# Altium PCB PS1-1B-BASIS.PcbDoc (part 6 of 7) (continued)
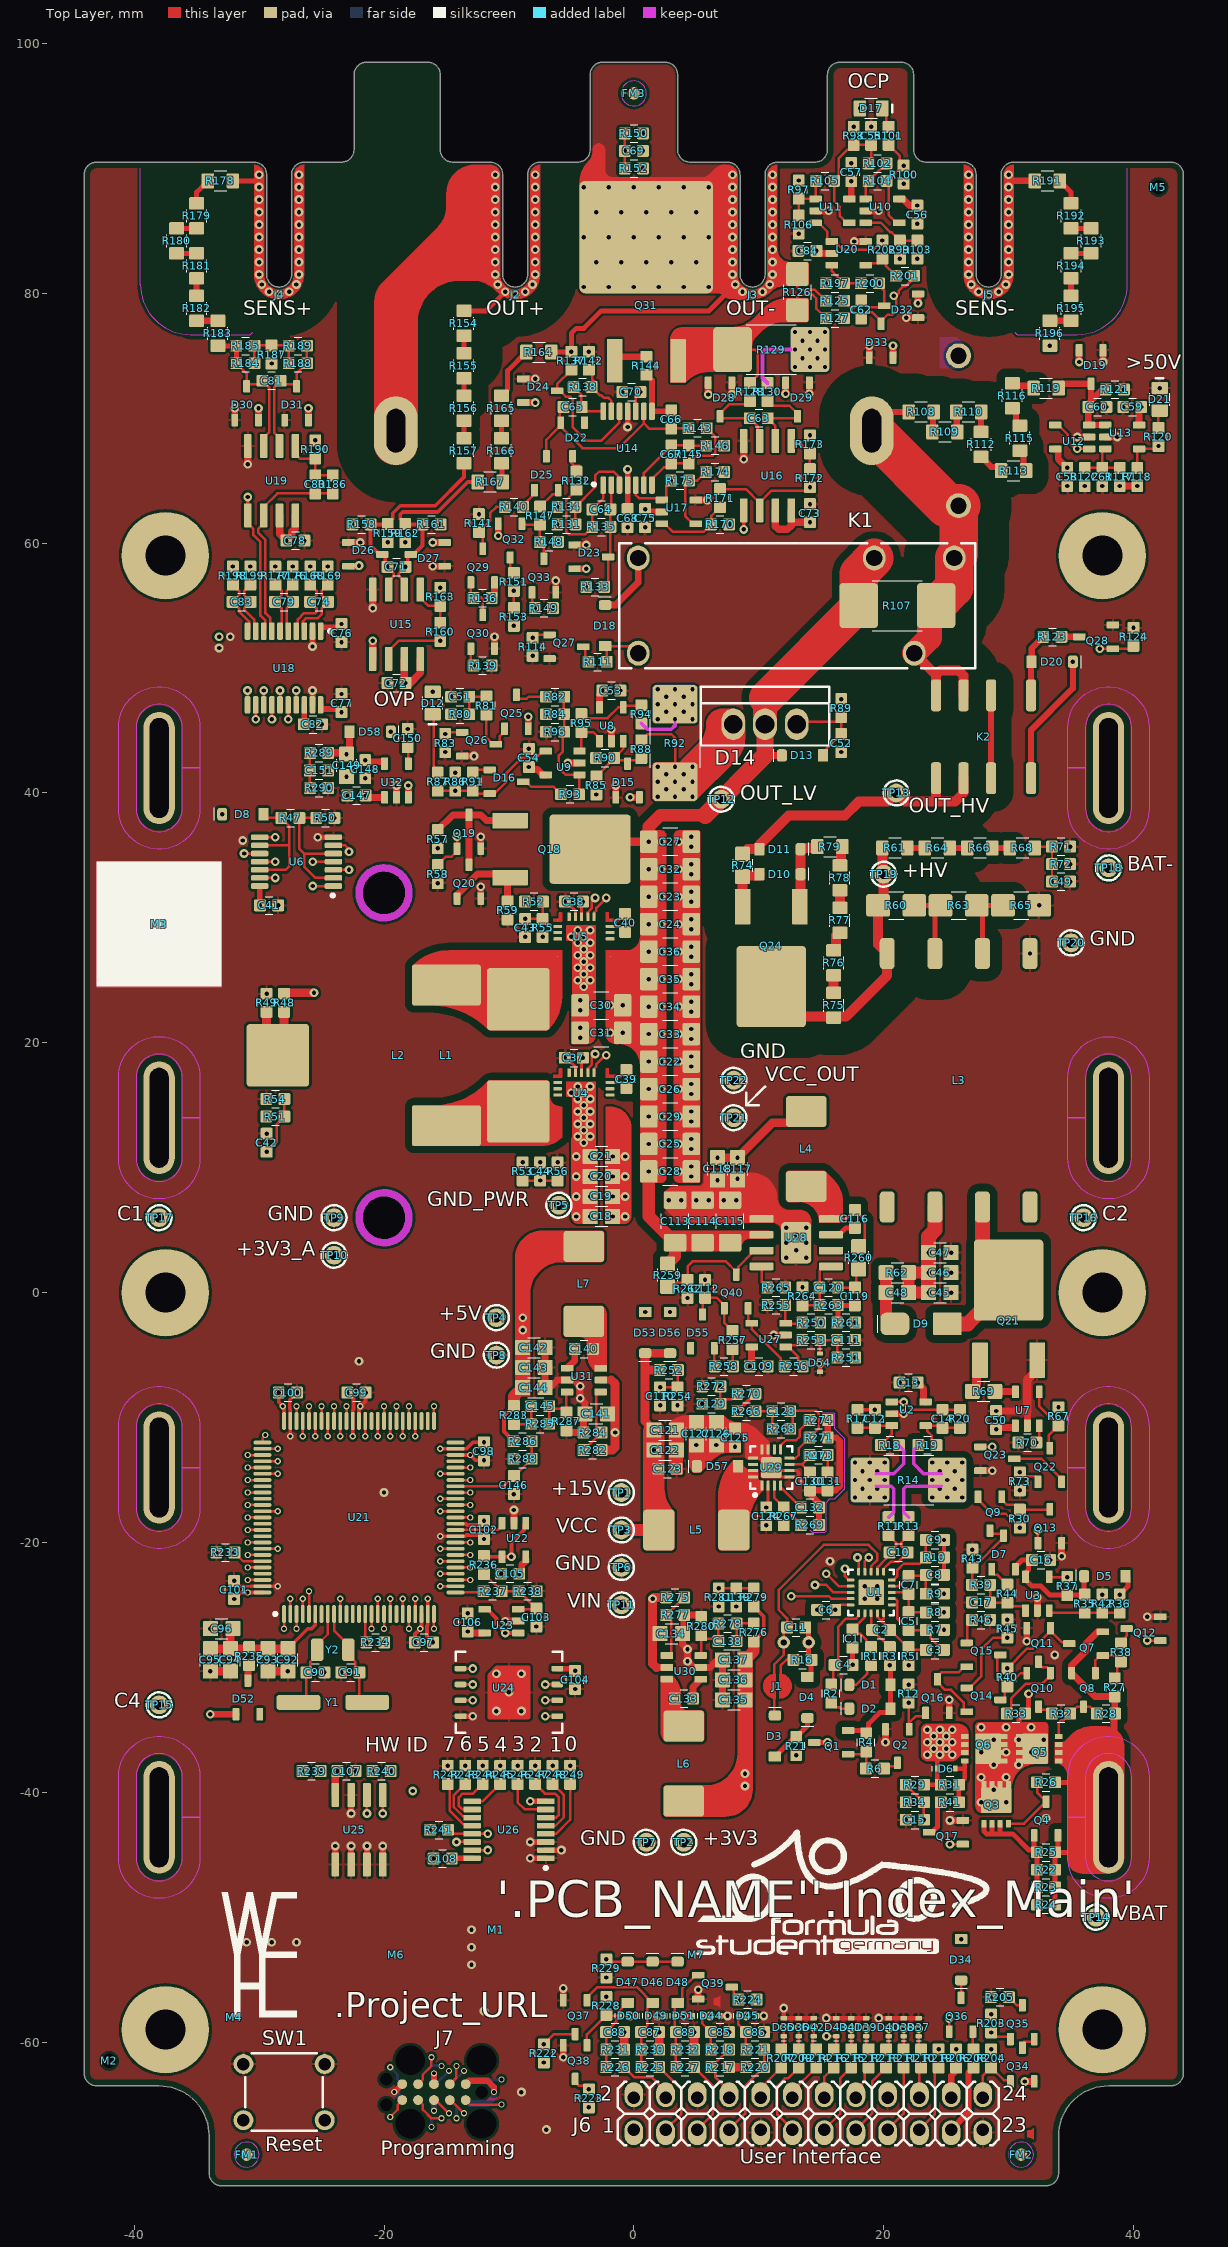
[diagram p0: Top Layer view]
## Nets (pads, with @x,y where several pads share a name; then routed paths per layer and width w, separated by ;. In a path a pad name is that pad's centre, name@x,y a point inside that pad or via, vN(x,y) a via of type N, cw(c..) or ccw(c..) an arc to the next point about the centre after c; other vN are vias at no path point) (continued)
V_TERM: R160.1 U15.6 U21.21 | length 130.5
  Top Layer w0.2: U15.6@-19.635,50.72 -19.635,51.37 -18.83,52.175 v1(-15.5,52.175) ; v2(-18,-26.9) U21.21@-18,-25.725
  Mid 4 w0.2: v2(-18,-26.9) -19,-27.9 -19,-28.7 -19.4,-29.1 -21.8,-29.1 -22.5,-28.4 -22.5,-26.8 -21.8,-26.1 -21.8,-18.1 -29.4,-10.5 -33.4,-10.5 -42.2,-1.7 -42.2,47.8 -36.5,53.5 -31.8,53.5 -29.095,50.795 -16.98,50.795 -15.6,52.175 v1(-15.5,52.175)
V_VCC: C110.1 R252.2 R254.1 U21.42 | length 24.8
  Top Layer w0.2: U21.42@-14.275,-16 v2(-13.1,-16) ; v1(2.1,-7.575) R254.1@3.5,-7.575 3.5,-6.225 R252.2@3.525,-6.2
  Mid 1 w0.2: v2(-13.1,-16) -12.4,-16 -10.7,-14.3 -2.8,-14.3 -1.5,-13 -0.7,-13 2.8,-9.5 2.8,-8.275 v1(2.1,-7.575)
VBAT: BAT1.1 D1.2 D2.2 Q1.2 Q4.2 Q5.1@34,-37.475 Q5.2 Q5.3 Q7.2 Q8.2 R3.1 R4.1 R22.1 R23.1 R24.1 R25.1 R26.1 R27.1 R28.1 TP14.1 | length 103.8
  Top Layer w0.4: Q1.2@17.15,-35.05 18.375,-35.05 R4.1@18.6,-35.275 18.8,-35.075 18.8,-34.5 19.7,-33.6 20.25,-33.6 D2.2@20.55,-33.3 D1.2@20.55,-31.4 20.55,-29.875 v1(20.5,-29.825) ; R24.1@33.725,-49 R23.1@33.725,-47.6 R22.1@33.725,-46.2 R25.1@33.725,-44.8 ; R26.1@33.725,-39.2 35.2,-39.2 BAT1.1@38,-42 35.2,-44.8 R25.1@33.725,-44.8 ; Q4.2@33.95,-43.45 33.95,-44.575 R25.1@33.725,-44.8 ; Q5.1@34,-37.475 36.7,-37.475 ; Q5.2@34,-36.825 36.05,-36.825 ; Q5.3@34,-36.175 35.4,-36.175 36.05,-36.825 ; BAT1.1@38,-38.775 36.7,-37.475 ; 36.05,-36.825 36.7,-37.475
  Top Layer w0.55: Q7.2@37.55,-27.15 37.125,-27.15 36.2,-28.075 36.2,-28.7 35.05,-29.85 Q8.2@35.05,-30.45 36.925,-32.325 R27.1@38.5,-32.325 R28.1@38.5,-33.675 ; BAT1.1@38.425,-38.35 38.425,-33.8 R28.1@38.525,-33.7
  Mid 3 (PWR) w0.3: v1(20.5,-29.825) 21.525,-28.8 24.7,-28.8 25.9,-27.6 25.9,-24.5 26.7,-23.7 29.4,-23.7 31.1,-25.4 34.2,-25.4 37,-22.6 39.7,-22.6 40.3,-23.2 40.3,-24.9 38,-27.2 BAT1.1@38,-42
  Mid 3 (PWR) w1.5: TP14.1@37,-50 38,-49 BAT1.1@38,-42
VBAT_STBY: Q1.3 Q9.2 R30.1 | length 32.4
  Top Layer w0.2: Q9.2@27.55,-16.35 27.55,-16.575 28.675,-17.7 29.775,-17.7 v1(30.9,-18.825)
  Top Layer w0.4: Q1.3@14.45,-36 v1(15.5,-36)
  Mid 4 w0.4: v1(15.5,-36) 17.2,-34.3 22.2,-34.3 29.6,-26.9 30.3,-26.9 30.9,-26.3 v1(30.9,-18.825)
VC0: C9.1 R10.2 U1.5 | length 5.2
  Top Layer w0.2: U1.5@20.65,-23 20.8,-23 21.1,-22.7 21.1,-22.2 21.6,-21.7 22.875,-21.7 R10.2@23.375,-21.2 C9.1@23.375,-19.8
VC1: C7.2 C8.1 R9.2 U1.4 | length 4.6
  Top Layer w0.2: U1.4@20.65,-23.5 21.175,-23.5 C7.2@22,-22.675 23.3,-22.675 C8.1@23.375,-22.6 R9.2@23.375,-24.1
VC2: C5.2 C7.1 R8.2 U1.3 | length 4.2
  Top Layer w0.2: U1.3@20.65,-24 21.875,-24 21.95,-24.075 C7.1@22,-24.125 C5.2@22,-25.575 22.013,-25.588 23.362,-25.588 R8.2@23.375,-25.6
VC3: C3.2 C5.1 R7.2 U1.1@20.65,-25 U1.2 | length 7.4
  Top Layer w0.2: U1.1@20.65,-25 21.1,-25 ; U1.2@20.65,-24.5 20.9,-24.5 21.1,-24.7 21.1,-25 ; C3.2@24.825,-28.6 24.45,-28.225 24.307,-28.225 23.75,-27.668 23.75,-27.375 R7.2@23.375,-27 23.362,-27.013 22.013,-27.013 C5.1@22,-27.025 21.461,-26.486 21.1,-26.125 21.1,-25
VC4: C2.2 C3.1 R5.2 U1.19 U1.20 | length 6
  Top Layer w0.2: U1.19@19.5,-25.65 19.5,-25.975 19.812,-26.287 ; U1.20@20,-25.65 20,-26.1 19.812,-26.287 ; C3.1@23.375,-28.6 22.225,-28.6 R5.2@22,-28.375 21.625,-28 21.525,-28 19.812,-26.287
VC5: C2.1 R3.2 U1.18 | length 3.4
  Top Layer w0.2: U1.18@19,-25.65 19,-26.925 C2.1@19.075,-27 20.45,-28.375 R3.2@20.5,-28.375
VCC: C121.1 C122.1 C123.1 C124.1 D53.1 D56.1 L5.1 R252.1 R267.1 TP3.1 U29.2 | length 35.5
  Top Layer w0.25: U29.2@10.75,-15.45 10.75,-17.05 v1(10.6,-17.2) 11.65,-18.25 11.65,-18.275 R267.1@12,-18.625
  Top Layer w0.7: C121.1@1.6,-11 0.9,-10.3 0.9,-6.2 ; R252.1@2.075,-6.2 0.9,-6.2 ; D56.1@2.9,-4.85 D53.1@0.9,-4.85 0.9,-6.2
  Top Layer w0.95: TP3.1@-1,-19 L5.1@2,-19 ; C121.1@1.6,-11 v1(1.6,-12.6) 1.975,-12.975 C123.1@1.975,-14.1 L5.1@1.975,-18.975
  Mid 3 (PWR) w0.7: v1(1.6,-12.6) 2.6,-13.6 7,-13.6 v1(10.6,-17.2)
VCC_BST: C116.2 U28.7 | length 2.1
  Top Layer w0.4: U28.7@15.78,4.635 16.43,4.635 16.97,5.175 C116.2@17.7,5.175
VCC_EN: Q40.3 R259.2 R262.1 U28.3 | length 10.6
  Top Layer w0.2: R259.2@2.7,0.5 3,0.8 4.075,0.8 R262.1@4.3,1.025 4.3,2.1 4.7,2.5 7.375,2.5 8.2,1.675 Q40.3@8.2,1.45 8.373,1.623 8.373,2.073 9.5,3.2 10.055,3.2 U28.3@10.22,3.365
VCC_FB: C120.2 R263.2 R264.1 U28.5 | length 5.2
  Top Layer w0.2: R264.1@13.5,-1.025 14.85,-1.025 R263.2@14.875,-1 C120.2@14.875,0.4 14.875,1.775 15.195,2.095 U28.5@15.78,2.095
VCC_GAIN_MEAS: C119.2 R261.2 R263.1 | length 2.8
  Top Layer w0.4: R261.2@16.275,-2.4 16.325,-2.35 R263.1@16.325,-1 16.338,-1.013 17.687,-1.013 C119.2@17.7,-1.025
VCC_OUT: C117.1 C118.1 D56.2 L4.2 R261.1 TP21.1 | length 41.4
  Top Layer w0.7: v1(6.7,10.8) v1(8.3,10.8) 11.1,13.6 12.9,13.6 L4.2@13.8,14.5
  Mid 3 (PWR) w0.7: v1(2.9,-1.55) 7.45,-1.55 10.1,1.1 ; v1(6.7,10.8) v1(8.3,10.8) ; TP21.1@8,14 8,11.1 v1(8.3,10.8) ; v1(17.725,-2.4) 16.825,-1.5 12.7,-1.5 10.1,1.1 ; v1(8.3,10.8) 10.1,9 10.1,1.1
VCC_RT: R265.1 U28.4 | length 1.9
  Top Layer w0.2: U28.4@10.22,2.095 10.22,0.855 R265.1@10.675,0.4
VCC_SW: C116.1 L4.1 R260.1 U28.8 | length 9.3
  Top Layer w0.2: U28.8@15.78,5.905 16.98,5.905 C116.1@17.7,6.625 18.5,5.825 18.5,4.2 R260.1@18,3.7
  Top Layer w0.6: L4.1@13.8,8.5 14.175,8.5 15.78,6.895 U28.8@15.78,5.905
VIN: C18.1 C19.1 C20.1 C21.1 C45.1 C46.1 C47.1 C48.1 C109.1 D6.1 D53.2 L3.2 Q6.1@26.5,-35.525 Q6.2 Q6.3 R29.1 R31.1 R62.1 R250.1 R251.1 TP11.1 U4.7 U27.5 | length 19.7
  Top Layer w0.35: R29.1@23.225,-39.4 R31.1@24.575,-39.4 24.275,-39.1 D6.1@24.275,-38.1 ; D6.1@24.275,-38.175 24.275,-37.125 24.575,-36.825 25.5,-36.825 Q6.3@26.5,-36.825
  Top Layer w0.55: v1(9.275,-5.9) 9.425,-5.75 9.425,-4.35 U27.5@9.45,-4.35
  Top Layer w0.95: v1(23.6,0) C48.1@22,0 R62.1@22,1.6 v1(23.6,1.6)
  Top Layer w1.2: v1(23.6,0) v1(23.6,1.6) v1(23.6,3.2) 23.6,4.5 24.095,4.995 L3.2@24.095,6.85
  other v1: 23.5,-37 24.5,-37 25.5,-37 24,-36.5 25,-36.5 23.5,-36 24.5,-36 25.5,-36 24,-35.5 25,-35.5 23.5,-35 24.5,-35 25.5,-35 17.725,-5.2 14.925,-2.4 0.9,-1.55 -1.7,6.1 -0.7,6.1 -1.7,7.7 -0.7,7.7 -1.7,9.3 -0.7,9.3 -1.7,10.9 -0.7,10.9
VREF: R51.1 R52.1 R53.1 R131.1 R150.1 R236.1 U22.1@-8.65,-18.45 U22.4 | length 260.3
  Top Layer w0.3: R236.1@-12,-21.075 -11.925,-21.15 U22.4@-10.55,-21.15 v1(-9.8,-21.15) -9.8,-20 -8.8,-19 -8.8,-18.6 U22.1@-8.65,-18.45
  Mid 4 w0.3: v1(-9.8,-21.15) -8.9,-20.25 -8.9,-10.8 -18.1,-1.6 ; v1(-8.9,10.425) -10.1,9.225 -10.1,6.4 -18.1,-1.6 ; v1(-8.725,31.3) -8.725,34.5 ; v1(-6.125,61.5) -8.8,58.825 ; v1(0.725,92.8) 0,92.075 0,89.5 -2,87.5 -2,85.5 -3.8,83.7 -3.8,81.8 -3,81 -3,79.5 -4,78.5 -5.1,78.5 -13.7,69.9 -13.7,65.8 -16.9,62.6 -21.2,62.6 -24.4,65.8 -24.4,71 -27.4,74 -27.4,75 -27.9,75.5 -29.7,75.5 -32.8,72.4 -32.8,63.4 -29.7,60.3 -29.7,56.8 -28.5,55.6 -23.4,55.6 -22.35,54.55 -22.35,53.221 -22.005,52.876 -22.005,52.376 -21.174,51.545 -20.636,51.545 -19.973,52.208 -19.973,52.383 -17.925,54.431 -17.925,54.931 -17.481,55.375 -15.103,55.375 -11.653,58.825 -8.8,58.825 ; -18.1,-1.6 -22.7,-1.6 -30.8,6.5 -30.8,12.725 v1(-29.425,14.1) -30.9,15.575 -30.9,33.7 -30.5,34.1 -30.5,37 -29.1,38.4 -27.4,38.4 -26.2,37.2 -23.8,37.2 -23,38 -19.7,38 -16.2,34.5 -8.725,34.5 ; -8.8,58.825 -7.2,57.225 -7.2,49 -9.7,46.5 -9.7,41.45 -8.725,40.475 -8.725,34.5
VREF/2: C12.1 R17.1 R146.2 R158.2 R159.2 R161.1 R162.1 R163.2 R170.2 R173.2 R174.1 R176.1 R187.2 R190.2 R197.2 U15.5 U16.5 U18.8 U19.5 U23.1@-9.25,-27.25 U23.4 | length 426.6
  Top Layer w0.2: U19.5@-30.905,62.22 -30.905,61.57 -30.45,61.115 -30.45,60.65 -29.9,60.1 -29.9,54.2 -29.5,53.8 -29.5,53.075 U18.8@-29.625,52.95
  Top Layer w0.3: U19.5@-30.905,62.22 v1(-30.905,63.695) ; U23.4@-11.95,-25.35 -11.725,-25.35 -11,-26.075 -11,-26.55 v1(-10.3,-27.25) U23.1@-9.25,-27.25 ; v1(8.795,61.1) U16.5@8.795,62.62 ; R17.1@17.9,-9.375 v1(19.3,-9.375)
  Top Layer w0.6: U15.5@-20.905,50.72 v1(-20.905,52.195)
  Mid 1 w0.2: v1(-27.3,58.125) -27.8,57.625 -27.8,57.1 -26.5,55.8 -20.034,55.8 -18.934,54.7 -15.3,54.7 -8,62 -8,66.966 -0.866,74.1 1.666,74.1 5.766,70 8.266,70 11.466,66.8 13.8,66.8 14.1,67.1 v1(14.1,68.625)
  Mid 4 w0.3: v1(-30.905,63.695) -26.305,63.695 ; v1(-29,74.375) -29,71.725 v1(-25.5,68.225) -25.5,64.5 -26.305,63.695 ; v1(-22.525,61.5) -21.125,61.5 v1(-19.7,60.075) v1(-18.3,60.075) -18.223,60.152 -16.875,61.5 v1@-15.367,61.5 ; v1(-20.905,52.195) -21.555,52.845 -21.555,55.569 -21.305,55.819 -21.305,56.425 ; v1(-15.475,61.5) -14.975,62 -13.7,62 ; v1(-10.3,-27.25) -9.45,-27.25 -6.1,-23.9 -6.1,-16.5 -3.8,-14.2 ; v1(7.225,67.8) v1(7.225,65.7) 7.625,65.3 v1(7.625,61.5) ; v1(8.795,61.1) 8.025,61.1 v1(7.625,61.5) ; v1(14.1,68.625) 14.6,69.125 14.6,69.9 cw(c19.187,69.9) 15.943,73.143 17,74.2 17,76.4 15.5,77.9 13.2,77.9 ; v1(15.375,80.8) 13.2,78.625 13.2,77.9 ; v1(19.3,-9.375) 22.3,-12.375 22.3,-16.4 21.5,-17.2 11.6,-17.2 8.6,-14.2 -3.8,-14.2 ; -26.305,63.695 -26.305,61.205 -21.525,56.425 -21.305,56.425 ; -21.305,56.425 v1(-15.5,56.425) -15.523,56.448 -15.523,56.852 -15.45,56.925 -15.45,57.975 -13.7,59.725 -13.7,62 ; -13.7,62 -12,63.7 -12,65.925 -11.325,66.6 ; -11.325,66.6 -11.325,70.975 -5.5,76.8 11.6,76.8 12.7,77.9 13.2,77.9 ; -11.325,66.6 -7.6,66.6 -5,64 -5,55.4 ; -5,55.4 1.525,55.4 v1(7.625,61.5) ; -5,55.4 -5,44.696 -7,42.696 -7,30.5 -8.3,29.2 -9.4,29.2 -12,31.8 -12.6,31.8 -14.3,33.5 -16.6,33.5 -20.2,37.1 -22.6,37.1 -23.4,36.3 -24.4,36.3 -25,35.7 -26.2,35.7 -28,37.5 -29.3,37.5 -29.9,36.9 -29.9,32.7 -29.2,32 -29.2,29.3 -30.05,28.45 -30.05,17.35 -28.6,15.9 -28.6,5.6 -22.3,-0.7 -18.5,-0.7 -11,6.8 -11,9.9 -9.4,11.5 -8.6,11.5 -8.2,11.1 -8.2,6.2 -13.6,0.8 -13.6,-4.4 -3.8,-14.2
VREF/2_UC: R237.1 U21.26 | length 2.3
  Top Layer w0.2: U21.26@-14.275,-24 -12.125,-24 R237.1@-12.025,-23.9
VREF_UC: U21.36 U22.3 | length 4.1
  Top Layer w0.2: U21.36@-14.275,-19 -10.875,-19 -10.55,-18.675 U22.3@-10.55,-18.45
pads on no net: D7.1@28,-22.4 D15.1@-2.1,39.4 D16.1@-11.8,42.5 D19.1@38.2,75.7 D22.1 D23.1@-5,60.5 D24.1@-9.1,73.8 D25.1@-8.6,64 D26.1@-23.1,60.7 D27.1@-14.9,57.5 D28.1@8.5,73.1 D29.1@14.7,73.1 D30.1@-32.6,69.6 D31.1@-28.6,69.6 D32.1@23,77.4 D33.1@18.2,74.6 D52.1@-32.5,-34 D52.2 D55.1 FM1.1 FM2.1 FM3.1 FM4.1 FM5.1 FM6.1 J7.M L3.1 L3.4 M2.0 M5.0 Q1.1@17.4,-37.6 Q2.1@22.7,-34.7 Q3.1@27.4,-42.6 Q4.1@31.4,-43.7 Q5.1@34.1,-38.1 Q6.1@26.4,-34.9 Q7.1@37.8,-29.7 Q8.1@37.6,-30.2 Q9.1@30.1,-16.1 Q10.1@34,-30.2 Q11.1@34,-26.6 Q12.1@42.4,-28.5 Q13.1@31.7,-20.3 Q14.1@26.4,-31 Q15.1@26.4,-27.4 Q16.1@22.7,-33.9 Q17.1@26.6,-44.8 Q18.1@-10,36.25 Q19.1@-14.8,35.3 Q20.1@-14.8,31.3 Q21.1@29.25,-5.5 Q22.1@31.7,-15.4 Q23.1@27.5,-11.7 Q24.1@11.75,31 Q25.1@-11,44.9 Q26.1@-14,45.5 Q27.1@-7,53.3 Q28.1@38.6,50.9 Q29.1@-13.7,56.6 Q30.1@-13.7,51.3 Q31.1@-0.3,73.6 Q32.1@-8.3,61.8 Q33.1@-8.8,55.8 Q34.1@29.5,-63.4 Q35.1@29.5,-60 Q36.1@24.6,-59.4 Q37.1@-3.1,-56.4 Q38.1@-3.1,-60 Q39.1@4.9,-54 Q40.1@6.6,-1.5 U1.1@21.2,-25.5 U1.EP@18.44,-23.44 U1.EP@18.44,-24.56 U1.EP@19.56,-23.44 U1.EP@19.56,-24.56 U2.1@20.4,-8.1 U3.1@30.7,-25.7 U4.1 U4.2 U4.3 U4.4 U4.8 U4.9 U4.16 U5.1 U5.2 U5.3 U5.4 U5.8 U5.9 U5.16 U7.1@29.9,-10.9 U8.1@-3.4,43.9 U9.1@-4.1,40.8 U10.1@18.3,88.2 U11.1@14.3,88.2 U12.1@36.7,66.9 U13.1@37.5,70.1 U15.1@-16.3,56 U16.1@13.4,67.9 U17.1@2,64.1 U19.1@-26.3,67.5 U20.1@15.6,84.8 U21.7 U21.11 U21.12 U21.13 U21.19 U21.47 U21.50 U21.52 U21.53 U21.61 U21.83 U21.85 U21.89 U21.91 U21.97 U22.1@-8,-18.2 U23.1@-9,-27.9 U24.1@-14.7,-29.375 U25.1@-24.7,-45.5 U27.1@12.4,-5 U28.1@10.5,6.7 U28.6 U29.10 U29.14 U30.1@5.6,-31.6 U31.1@-5.6,-5.4 U32.1@-20.6,39.4

## Polygon pours and split planes (outlines as drawn)
GND on Top Layer "GND_L01_P320" (solid, remove dead copper, pour order 320): -43,-63 cw(c-43,-62.5) -43.5,-62.5 -43.5,89.5 cw(c-43,89.5) -43,90 -30.5,90 cw(c-30.5,89.5) -30,89.5 -30,81.5 ccw(c-28.5,81.5) -28.5,80 ccw(c-28.5,81.5) -27,81.5 -27,89.5 cw(c-26.5,89.5) -26.5,90 -23.5,90 ccw(c-23.5,91.5) -22,91.5 -22,97.5 cw(c-21.5,97.5) -21.5,98 -16.5,98 cw(c-16.5,97.5) -16,97.5 -16,91.5 ccw(c-14.5,91.5) -14.5,90 -11.5,90 cw(c-11.5,89.5) -11,89.5 -11,81.5 ccw(c-9.5,81.5) -9.5,80 ccw(c-9.5,81.5) -8,81.5 -8,89.5 cw(c-7.5,89.5) -7.5,90 -4.5,90 ccw(c-4.5,91.5) -3,91.5 -3,97.5 cw(c-2.5,97.5) -2.5,98 2.5,98 cw(c2.5,97.5) 3,97.5 3,91.5 ccw(c4.5,91.5) 4.5,90 7.5,90 cw(c7.5,89.5) 8,89.5 8,81.5 ccw(c9.5,81.5) 9.5,80 ccw(c9.5,81.5) 11,81.5 11,89.5 cw(c11.5,89.5) 11.5,90 14.5,90 ccw(c14.5,91.5) 16,91.5 16,97.5 cw(c16.5,97.5) 16.5,98 21.5,98 cw(c21.5,97.5) 22,97.5 22,91.5 ccw(c23.5,91.5) 23.5,90 26.5,90 cw(c26.5,89.5) 27,89.5 27,81.5 ccw(c28.5,81.5) 28.5,80 ccw(c28.5,81.5) 30,81.5 30,89.5 cw(c30.5,89.5) 30.5,90 43,90 cw(c43,89.5) 43.5,89.5 43.5,-62.5 cw(c43,-62.5) 43,-63 38,-63 ccw(c38,-67.5) 33.5,-67.5 33.5,-70.5 cw(c33,-70.5) 33,-71 -33,-71 cw(c-33,-70.5) -33.5,-70.5 -33.5,-67.5 ccw(c-38,-67.5) -38,-63
TERM_N on Top Layer "TERM_N_L01_P319" (solid, remove dead copper, pour order 319): -3.9,80 cw(c-3.9,80.45) -4.35,80.45 -4.35,88.798 cw(c-1.81,88.798) -3.606,90.594 -3.6,90.6 ccw(c-4.324,91.324) -3.3,91.324 -3.3,97.5 cw(c-2.5,97.5) -2.5,98.3 2.5,98.3 cw(c2.5,97.5) 3.3,97.5 3.3,91.5 ccw(c4.5,91.5) 4.5,90.3 7.5,90.3 cw(c7.5,89.5) 8.3,89.5 8.3,82.4 cw(c5.9,82.4) 5.9,80
GND on Bottom Layer "GND_L06_P337" (solid, remove dead copper, pour order 337): -43,-63 cw(c-43,-62.5) -43.5,-62.5 -43.5,89.5 cw(c-43,89.5) -43,90 -30.5,90 cw(c-30.5,89.5) -30,89.5 -30,81.5 ccw(c-28.5,81.5) -28.5,80 ccw(c-28.5,81.5) -27,81.5 -27,89.5 cw(c-26.5,89.5) -26.5,90 -23.5,90 ccw(c-23.5,91.5) -22,91.5 -22,97.5 cw(c-21.5,97.5) -21.5,98 -16.5,98 cw(c-16.5,97.5) -16,97.5 -16,91.5 ccw(c-14.5,91.5) -14.5,90 -11.5,90 cw(c-11.5,89.5) -11,89.5 -11,81.5 ccw(c-9.5,81.5) -9.5,80 ccw(c-9.5,81.5) -8,81.5 -8,89.5 cw(c-7.5,89.5) -7.5,90 -4.5,90 ccw(c-4.5,91.5) -3,91.5 -3,97.5 cw(c-2.5,97.5) -2.5,98 2.5,98 cw(c2.5,97.5) 3,97.5 3,91.5 ccw(c4.5,91.5) 4.5,90 7.5,90 cw(c7.5,89.5) 8,89.5 8,81.5 ccw(c9.5,81.5) 9.5,80 ccw(c9.5,81.5) 11,81.5 11,89.5 cw(c11.5,89.5) 11.5,90 14.5,90 ccw(c14.5,91.5) 16,91.5 16,97.5 cw(c16.5,97.5) 16.5,98 21.5,98 cw(c21.5,97.5) 22,97.5 22,91.5 ccw(c23.5,91.5) 23.5,90 26.5,90 cw(c26.5,89.5) 27,89.5 27,81.5 ccw(c28.5,81.5) 28.5,80 ccw(c28.5,81.5) 30,81.5 30,89.5 cw(c30.5,89.5) 30.5,90 43,90 cw(c43,89.5) 43.5,89.5 43.5,-62.5 cw(c43,-62.5) 43,-63 38,-63 ccw(c38,-67.5) 33.5,-67.5 33.5,-70.5 cw(c33,-70.5) 33,-71 -33,-71 cw(c-33,-70.5) -33.5,-70.5 -33.5,-67.5 ccw(c-38,-67.5) -38,-63
TERM_N on Bottom Layer "TERM_N_L06_P336" (solid, remove dead copper, pour order 336): 9.5,79.5 11.448,79.5 cw(c11.448,76.96) 13.244,78.756 17.256,74.744 ccw(c19.052,76.54) 19.052,74 26,74 ccw(c26,75) 26.707,74.293 ccw(c26,75) 27,75 ccw(c26,75) 26.707,75.707 22.744,79.67 cw(c24.54,81.466) 22,81.466 22,87.76 ccw(c19.46,87.76) 19.46,90.3 11.5,90.3 ccw(c11.5,89.5) 10.7,89.5 10.7,81.5 cw(c9.5,81.5) 9.5,80.3
TERM_N on Bottom Layer "TERM_N_L06_P335" (solid, remove dead copper, pour order 335): -3.9,80 cw(c-3.9,80.45) -4.35,80.45 -4.35,88.55 cw(c-2.177,88.55) -3.714,90.086 -3.495,90.305 ccw(c-4.69,91.5) -3,91.5 -3,97.5 cw(c-2.5,97.5) -2.5,98 2.5,98 cw(c2.5,97.5) 3,97.5 3,91.5 ccw(c4.5,91.5) 4.5,90 7,90 7,80
GND on Mid 4 "GND_L05_P334" (solid, remove dead copper, pour order 334): -43,-63 cw(c-43,-62.5) -43.5,-62.5 -43.5,89.5 cw(c-43,89.5) -43,90 -30.5,90 cw(c-30.5,89.5) -30,89.5 -30,81.5 ccw(c-28.5,81.5) -28.5,80 ccw(c-28.5,81.5) -27,81.5 -27,89.5 cw(c-26.5,89.5) -26.5,90 -23.5,90 ccw(c-23.5,91.5) -22,91.5 -22,97.5 cw(c-21.5,97.5) -21.5,98 -16.5,98 cw(c-16.5,97.5) -16,97.5 -16,91.5 ccw(c-14.5,91.5) -14.5,90 -11.5,90 cw(c-11.5,89.5) -11,89.5 -11,81.5 ccw(c-9.5,81.5) -9.5,80 ccw(c-9.5,81.5) -8,81.5 -8,89.5 cw(c-7.5,89.5) -7.5,90 -4.5,90 ccw(c-4.5,91.5) -3,91.5 -3,97.5 cw(c-2.5,97.5) -2.5,98 2.5,98 cw(c2.5,97.5) 3,97.5 3,91.5 ccw(c4.5,91.5) 4.5,90 7.5,90 cw(c7.5,89.5) 8,89.5 8,81.5 ccw(c9.5,81.5) 9.5,80 ccw(c9.5,81.5) 11,81.5 11,89.5 cw(c11.5,89.5) 11.5,90 14.5,90 ccw(c14.5,91.5) 16,91.5 16,97.5 cw(c16.5,97.5) 16.5,98 21.5,98 cw(c21.5,97.5) 22,97.5 22,91.5 ccw(c23.5,91.5) 23.5,90 26.5,90 cw(c26.5,89.5) 27,89.5 27,81.5 ccw(c28.5,81.5) 28.5,80 ccw(c28.5,81.5) 30,81.5 30,89.5 cw(c30.5,89.5) 30.5,90 43,90 cw(c43,89.5) 43.5,89.5 43.5,-62.5 cw(c43,-62.5) 43,-63 38,-63 ccw(c38,-67.5) 33.5,-67.5 33.5,-70.5 cw(c33,-70.5) 33,-71 -33,-71 cw(c-33,-70.5) -33.5,-70.5 -33.5,-67.5 ccw(c-38,-67.5) -38,-63
GND_PWR on Mid 4 "GND_PWR_L05_P333" (solid, remove dead copper, pour order 333): 18,-8.297 ccw(c19.527,-8.297) 18.447,-9.376 11.376,-16.447 -2.414,-2.657 cw(c6.243,6) -6,6 -6,40.948 cw(c-3.46,40.948) -5.256,42.744 9.256,57.256 ccw(c7.46,59.052) 10,59.052 10,73.516 cw(c12.54,73.516) 10.744,75.312 12.641,77.209 cw(c12.86,76.99) 12.86,77.3 15.34,77.3 cw(c15.34,76.99) 15.559,77.209 17.256,75.512 cw(c15.46,73.716) 18,73.716
TERM_N on Mid 4 "TERM_N_L05_P332" (solid, remove dead copper, pour order 332): 9.5,79.5 11.448,79.5 cw(c11.448,76.96) 13.244,78.756 17.256,74.744 ccw(c19.052,76.54) 19.052,74 26,74 ccw(c26,75) 26.707,74.293 ccw(c26,75) 27,75 ccw(c26,75) 26.707,75.707 22.744,79.67 cw(c24.54,81.466) 22,81.466 22,87.76 ccw(c19.46,87.76) 19.46,90.3 11.5,90.3 ccw(c11.5,89.5) 10.7,89.5 10.7,81.5 cw(c9.5,81.5) 9.5,80.3
+3V3 on Mid 3 (PWR) "+3V3_L04_P331" (solid, remove dead copper, pour order 331): -43,-63 cw(c-43,-62.5) -43.5,-62.5 -43.5,89.5 cw(c-43,89.5) -43,90 -30.5,90 cw(c-30.5,89.5) -30,89.5 -30,81.5 ccw(c-28.5,81.5) -28.5,80 ccw(c-28.5,81.5) -27,81.5 -27,89.5 cw(c-26.5,89.5) -26.5,90 -23.5,90 ccw(c-23.5,91.5) -22,91.5 -22,97.5 cw(c-21.5,97.5) -21.5,98 -16.5,98 cw(c-16.5,97.5) -16,97.5 -16,91.5 ccw(c-14.5,91.5) -14.5,90 -11.5,90 cw(c-11.5,89.5) -11,89.5 -11,81.5 ccw(c-9.5,81.5) -9.5,80 ccw(c-9.5,81.5) -8,81.5 -8,89.5 cw(c-7.5,89.5) -7.5,90 -4.5,90 ccw(c-4.5,91.5) -3,91.5 -3,97.5 cw(c-2.5,97.5) -2.5,98 2.5,98 cw(c2.5,97.5) 3,97.5 3,91.5 ccw(c4.5,91.5) 4.5,90 7.5,90 cw(c7.5,89.5) 8,89.5 8,81.5 ccw(c9.5,81.5) 9.5,80 ccw(c9.5,81.5) 11,81.5 11,89.5 cw(c11.5,89.5) 11.5,90 14.5,90 ccw(c14.5,91.5) 16,91.5 16,97.5 cw(c16.5,97.5) 16.5,98 21.5,98 cw(c21.5,97.5) 22,97.5 22,91.5 ccw(c23.5,91.5) 23.5,90 26.5,90 cw(c26.5,89.5) 27,89.5 27,81.5 ccw(c28.5,81.5) 28.5,80 ccw(c28.5,81.5) 30,81.5 30,89.5 cw(c30.5,89.5) 30.5,90 43,90 cw(c43,89.5) 43.5,89.5 43.5,-62.5 cw(c43,-62.5) 43,-63 38,-63 ccw(c38,-67.5) 33.5,-67.5 33.5,-70.5 cw(c33,-70.5) 33,-71 -33,-71 cw(c-33,-70.5) -33.5,-70.5 -33.5,-67.5 ccw(c-38,-67.5) -38,-63
BAT- on Mid 3 (PWR) "BAT-_L04_P327" (solid, remove dead copper, pour order 327): 17.5,-18 ccw(c17.5,-21) 14.5,-21 14.5,-28 ccw(c15.707,-28) 14.854,-28.854 15.756,-29.756 ccw(c17.552,-27.96) 17.552,-30.5 21.748,-30.5 ccw(c21.748,-27.96) 23.544,-29.756 25.256,-28.044 ccw(c23.46,-26.248) 26,-26.248 26,-24 cw(c27.449,-24) 26.424,-22.976 28.434,-20.966 ccw(c27.069,-19.6) 29,-19.6 29,-19 ccw(c28,-19) 28,-18
VIN on Mid 3 (PWR) "VIN_L04_P330" (solid, remove dead copper, pour order 330): 26,2 ccw(c24,2) 24,4 23.5,4 ccw(c23.5,2.5) 22,2.5 cw(c17.5,2.5) 17.5,-2 13,-2 cw(c13,11) 0,11 ccw(c-1,11) -1,12 -6.5,12 ccw(c-6.5,9.5) -9,9.5 -9,-18 ccw(c12,-18) 12,-39 21.879,-39 ccw(c21.879,-33.379) 25.854,-37.354 ccw(c25.5,-37) 26,-37
BAT- on Mid 3 (PWR) "BAT-_L04_P329" (solid, remove dead copper, pour order 329): 39.5,46.5 cw(c39.5,45) 41,45 41,41.741 ccw(c41.341,41.741) 41.1,41.5 cw(c40.859,41.259) 41.2,41.259 41.2,24.8 cw(c40.476,24.8) 40.988,24.288 35.441,18.741 ccw(c35.783,18.4) 35.3,18.4 35.3,-2.848 cw(c32.76,-2.848) 34.556,-4.644 27.9,-11.3 ccw(c29.107,-12.507) 27.4,-12.507 27.4,-14.816 cw(c24.86,-14.816) 26.656,-16.612 26.559,-16.709 cw(c26.34,-16.49) 26.34,-16.8 21.3,-16.8 cw(c21.3,-16.5) 21,-16.5 21,-13.6 ccw(c20.1,-13.6) 20.1,-12.7 17.7,-12.7 cw(c17.7,-12) 17,-12 17,-8 cw(c18,-8) 18,-7 ccw(c18,1) 26,1 26,43.96 cw(c28.54,43.96) 28.54,46.5
OUT_LV on Mid 3 (PWR) "OUT_LV_L04_P325" (solid, remove dead copper, pour order 325): 2.6,36.1 ccw(c2.2,36.1) 2.2,36.5 1.2,36.5 ccw(c1.2,36.1) 0.8,36.1 0.8,25.1 cw(c-0.9,25.1) -0.9,23.4 -1.9,23.4 ccw(c-1.9,23) -2.3,23 -2.3,20.8 ccw(c-1.9,20.8) -1.9,20.4 -0.9,20.4 cw(c-0.9,18.7) 0.8,18.7 0.8,9.7 ccw(c1.2,9.7) 1.2,9.3 2.2,9.3 ccw(c2.2,9.7) 2.6,9.7
+15V on Mid 3 (PWR) "+15V_L04_P326" (solid, remove dead copper, pour order 326): 32.8,-6.8 35.6,-9.6 35.6,-15.1 34.2,-16.5 29.9,-16.5 27.4,-19 26.4,-18 26.4,-17.6 27.4,-16.6 27.4,-12.2
+15V on Mid 3 (PWR) "+15V_L04_P328" (solid, remove dead copper, pour order 328): -1.9,-11 cw(c0.1,-11) 0.1,-9 16.3,-9 cw(c16.3,-9.5) 16.8,-9.5 16.8,-12.969 cw(c6.586,-12.969) 13.808,-20.192 cw(c2.442,-8.825) 2.441,-24.9 cw(c2.441,-24.559) 2.2,-24.8 cw(c12.098,-14.902) -1.9,-14.902
GND on Mid 1 "GND_L02_P323" (solid, remove dead copper, pour order 323): -43,-63 cw(c-43,-62.5) -43.5,-62.5 -43.5,89.5 cw(c-43,89.5) -43,90 -30.5,90 cw(c-30.5,89.5) -30,89.5 -30,81.5 ccw(c-28.5,81.5) -28.5,80 ccw(c-28.5,81.5) -27,81.5 -27,89.5 cw(c-26.5,89.5) -26.5,90 -23.5,90 ccw(c-23.5,91.5) -22,91.5 -22,97.5 cw(c-21.5,97.5) -21.5,98 -16.5,98 cw(c-16.5,97.5) -16,97.5 -16,91.5 ccw(c-14.5,91.5) -14.5,90 -11.5,90 cw(c-11.5,89.5) -11,89.5 -11,81.5 ccw(c-9.5,81.5) -9.5,80 ccw(c-9.5,81.5) -8,81.5 -8,89.5 cw(c-7.5,89.5) -7.5,90 -4.5,90 ccw(c-4.5,91.5) -3,91.5 -3,97.5 cw(c-2.5,97.5) -2.5,98 2.5,98 cw(c2.5,97.5) 3,97.5 3,91.5 ccw(c4.5,91.5) 4.5,90 7.5,90 cw(c7.5,89.5) 8,89.5 8,81.5 ccw(c9.5,81.5) 9.5,80 ccw(c9.5,81.5) 11,81.5 11,89.5 cw(c11.5,89.5) 11.5,90 14.5,90 ccw(c14.5,91.5) 16,91.5 16,97.5 cw(c16.5,97.5) 16.5,98 21.5,98 cw(c21.5,97.5) 22,97.5 22,91.5 ccw(c23.5,91.5) 23.5,90 26.5,90 cw(c26.5,89.5) 27,89.5 27,81.5 ccw(c28.5,81.5) 28.5,80 ccw(c28.5,81.5) 30,81.5 30,89.5 cw(c30.5,89.5) 30.5,90 43,90 cw(c43,89.5) 43.5,89.5 43.5,-62.5 cw(c43,-62.5) 43,-63 38,-63 ccw(c38,-67.5) 33.5,-67.5 33.5,-70.5 cw(c33,-70.5) 33,-71 -33,-71 cw(c-33,-70.5) -33.5,-70.5 -33.5,-67.5 ccw(c-38,-67.5) -38,-63
GND_PWR on Mid 1 "GND_PWR_L02_P322" (solid, remove dead copper, pour order 322): -26,25 cw(c-25,25) -25,26 -8,26 ccw(c-8,28) -6,28 -6,29 cw(c-5,29) -5,30 -3,30 ccw(c-3,32) -1,32 -1,36 cw(c0,36) 0,37 5,37 cw(c5,36) 6,36 6,9 cw(c5,9) 5,8 4.052,8 ccw(c4.052,5.46) 2.256,7.256 0.707,5.707 cw(c-1,7.414) -1,5 -6,5 cw(c-6,6) -7,6 -7,11 ccw(c-8,11) -8,12 -25,12 cw(c-25,13) -26,13
OUT on Mid 1 "OUT_L02_P321" (solid, remove dead copper, pour order 321): 22,50 23,50 ccw(c23,56) 29,56 29,62 ccw(c19,62) 19,72 ccw(c19,70) 17,70 17,68 ccw(c19,68) 19,66 cw(c19,63) 22,63 22,58.052 cw(c19.46,58.052) 21.256,56.256 20.744,55.744 ccw(c22.54,53.948) 20,53.948 20,52 ccw(c22,52)
GND on Mid 2 (GND) "GND_L03_P324" (solid, remove dead copper, pour order 324): -43,-63 cw(c-43,-62.5) -43.5,-62.5 -43.5,89.5 cw(c-43,89.5) -43,90 -30.5,90 cw(c-30.5,89.5) -30,89.5 -30,81.5 ccw(c-28.5,81.5) -28.5,80 ccw(c-28.5,81.5) -27,81.5 -27,89.5 cw(c-26.5,89.5) -26.5,90 -23.5,90 ccw(c-23.5,91.5) -22,91.5 -22,97.5 cw(c-21.5,97.5) -21.5,98 -16.5,98 cw(c-16.5,97.5) -16,97.5 -16,91.5 ccw(c-14.5,91.5) -14.5,90 -11.5,90 cw(c-11.5,89.5) -11,89.5 -11,81.5 ccw(c-9.5,81.5) -9.5,80 ccw(c-9.5,81.5) -8,81.5 -8,89.5 cw(c-7.5,89.5) -7.5,90 -4.5,90 ccw(c-4.5,91.5) -3,91.5 -3,97.5 cw(c-2.5,97.5) -2.5,98 2.5,98 cw(c2.5,97.5) 3,97.5 3,91.5 ccw(c4.5,91.5) 4.5,90 7.5,90 cw(c7.5,89.5) 8,89.5 8,81.5 ccw(c9.5,81.5) 9.5,80 ccw(c9.5,81.5) 11,81.5 11,89.5 cw(c11.5,89.5) 11.5,90 14.5,90 ccw(c14.5,91.5) 16,91.5 16,97.5 cw(c16.5,97.5) 16.5,98 21.5,98 cw(c21.5,97.5) 22,97.5 22,91.5 ccw(c23.5,91.5) 23.5,90 26.5,90 cw(c26.5,89.5) 27,89.5 27,81.5 ccw(c28.5,81.5) 28.5,80 ccw(c28.5,81.5) 30,81.5 30,89.5 cw(c30.5,89.5) 30.5,90 43,90 cw(c43,89.5) 43.5,89.5 43.5,-62.5 cw(c43,-62.5) 43,-63 38,-63 ccw(c38,-67.5) 33.5,-67.5 33.5,-70.5 cw(c33,-70.5) 33,-71 -33,-71 cw(c-33,-70.5) -33.5,-70.5 -33.5,-67.5 ccw(c-38,-67.5) -38,-63